# Altium PCB PCB_3U_DDS.PcbDoc (part 7 of 12) (continued)
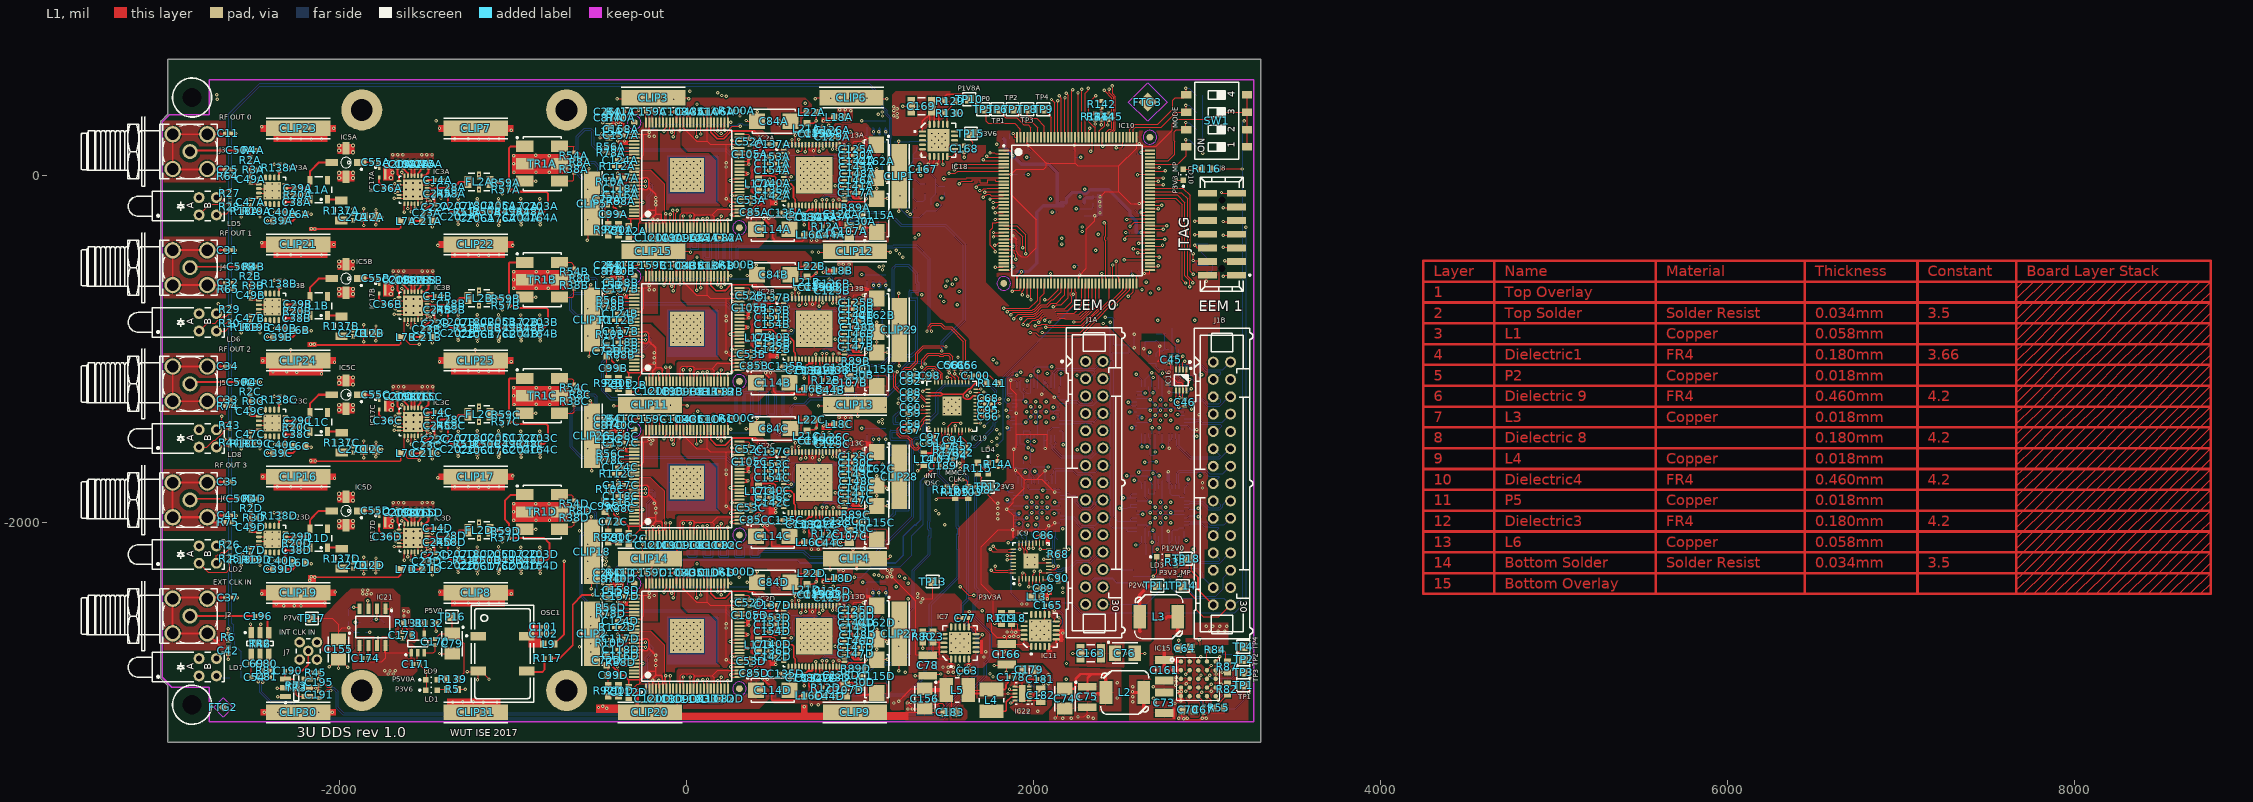
[diagram p0: L1 view]
## Nets (pads, with @x,y where several pads share a name; then routed paths per layer and width w, separated by ;. In a path a pad name is that pad's centre, name@x,y a point inside that pad or via, vN(x,y) a via of type N, cw(c..) or ccw(c..) an arc to the next point about the centre after c; other vN are vias at no path point) (continued)
  other v2: -1574.81,-2132 -1539.37,-2131.01 -1618.11,-2091.64 -1539.37,-2091.64 -1197.84,-2090.85 -1574.81,-2053.26 -1539.37,-2052.27 -2003.94,-2023.72 -1925.2,-2023.72 -1706.69,-2022.74 -1197.84,-2003.84 -2003.94,-1994.2 -1925.2,-1994.2 -1696.85,-1993.21 -1706.69,-1963.69 -1925.2,-1876.09 -2003.94,-1866.24 -2003.94,-1836.72 -1925.2,-1836.72 -1574.81,-1462.71 -1539.37,-1461.72 -1618.11,-1422.35 -1539.37,-1422.35 -1197.84,-1421.56 -1574.81,-1383.97 -1539.37,-1382.98 -2003.94,-1354.43 -1925.2,-1354.43 -1706.69,-1353.45 -1197.84,-1334.55 -2003.94,-1324.91 -1925.2,-1324.91 -1696.85,-1323.92 -1706.69,-1294.39 -1925.2,-1206.8 -2003.94,-1196.95 -2003.94,-1167.43 -1925.2,-1167.43 -1574.81,-793.42 -1539.37,-792.43 -1618.11,-753.06 -1539.37,-753.06 -1197.84,-752.27 -1574.81,-714.68 -1539.37,-713.69 -2003.94,-685.14 -1925.2,-685.14 -1706.69,-684.16 -1197.84,-665.26 -2003.94,-655.61 -1925.2,-655.61 -1696.85,-654.63 -1706.69,-625.1 -1925.2,-537.5 -2003.94,-527.66 -2003.94,-498.13 -1925.2,-498.13 -1578.74,-123.13 -1539.37,-123.13 -1618.11,-83.76 -1539.37,-83.76 -1197.84,-82.98 -1578.74,-44.39 -1539.37,-44.39 -2003.94,-15.85 -1925.2,-15.85 -1706.69,-14.87 -1197.84,4.03 -2003.94,13.68 -1925.2,13.68 -1696.85,14.66 -1706.69,44.19 -1925.2,131.79 -2003.94,141.63 -2003.94,171.16 -1925.2,171.16
I2C_SCLA: IC8A.1 J1A.27 R125.1 | length 4023.9
  L3 w5: v1(2266.51,-124.58) 2294.51,-152.58 2294.51,-179.67 2310.49,-195.65 2310.49,-593.6 2254.51,-649.58 2254.51,-1124.61 2231.67,-1147.45 2231.67,-1161.81 2237.05,-1167.19 2237.05,-1571.43 2233.66,-1574.82 2233.66,-1602.15 2254.51,-1623 2254.51,-2220.58 2130.51,-2344.58 2130.51,-2401.58 2155.51,-2426.58 2245.02,-2426.58 J1A.27@2298.31,-2373.3
  L4 w5: v1(1270.51,-209.58) 1271.02,-209.07 1338.86,-209.07 1381.51,-166.42 1381.51,-154.58 1428.51,-107.58 1600.51,-107.58 1661.51,-46.58 1739.51,-46.58 1806.51,-113.58 2218.51,-113.58 2229.51,-124.58 v1(2266.51,-124.58)
  L6 w5: v1(1270.51,-209.58) 1270.51,-188.62 R125.1@1272.21,-186.92
  L6 w10: J1A.27@2298.31,-2373.3 2347.12,-2324.49 2451.91,-2324.49 2476.94,-2349.51 IC8A.1@2573.82,-2349.51
I2C_SCLB: IC8B.1 J1B.27 | length 206.2
  L6 w5.98: IC8B.1@2889.76,-2270.77 2895.1,-2265.44 2944.04,-2265.44 2973.57,-2294.96 2973.57,-2316.58 J1B.27@3034.65,-2377.66
I2C_SDAA: IC8A.3 J1A.26 R124.1 | length 3675.4
  L3 w5.98: v1(2293.51,-80.58) 2292.51,-79.58 2292.51,-80.58 2292.51,-101.36 2320.98,-129.83 2320.98,-323.06 2339.51,-341.58 2339.51,-407.58 2342.51,-410.58 2342.51,-422.27 2338.17,-426.61 2338.17,-2187.24 2398.31,-2247.38 J1A.26@2398.31,-2273.3
  L4 w5.98: v1(1288.51,-226.58) 1280.51,-234.58 1271.51,-234.58 1264.35,-227.42 1263.12,-227.42 1252.68,-216.97 1252.68,-215.75 1252.51,-215.58 1252.68,-215.42 1252.68,-202.2 1263.12,-191.75 1263.35,-191.75 1263.51,-191.58 1263.68,-191.75 1277.9,-191.75 1284.73,-198.58 1334.51,-198.58 1371.02,-162.07 1371.02,-150.24 1425.67,-95.58 1590.51,-95.58 1650,-36.09 1747.02,-36.09 1791.51,-80.58 v1(2293.51,-80.58)
  L6 w5.98: v1(1288.51,-226.58) 1306.51,-208.58 1306.51,-199.58 1319.17,-186.92 R124.1@1321.43,-186.92 ; J1A.26@2398.31,-2273.3 2399.72,-2274.71 IC8A.3@2573.82,-2274.71
I2C_SDAB: IC8B.3 J1B.26 | length 401.7
  L6 w5.98: IC8B.3@2889.76,-2345.57 2889.76,-2388.32 2927.64,-2426.2 3049.02,-2426.2 3091.68,-2383.55 3091.68,-2320.63 J1B.26@3134.65,-2277.66
IFC_MODE_SEL0: IC10.104 R111.2 SW1.8 | length 403.4
  L1 w5.98: IC10.104@2669.29,62.89 2829.57,62.89 2879.13,112.45 SW1.8@2879.13,162.69 2879.13,201.05 v1(2875.14,205.04)
  L6 w5.98: v1(2875.14,205.04) 2897.42,205.04 R111.2@2937.4,165.06
IFC_MODE_SEL1: IC10.105 R83.2 SW1.7 | length 486.7
  L1 w5.98: IC10.105@2669.29,82.57 2776.26,82.57 2812.86,119.17 2812.86,196.42 2809.86,199.42 2809.86,250.17 2822.38,262.69 SW1.7@2879.13,262.69 2875.14,266.68 v1(2875.14,303.46)
  L6 w5.98: v1(2875.14,303.46) 2897.42,303.46 R83.2@2937.4,263.48
IFC_MODE_SEL2: IC10.110 R85.2 SW1.6 | length 512.5
  L1 w5.98: IC10.110@2572.83,218.4 2572.83,264.15 2585.25,276.57 2734.25,276.57 2820.38,362.69 SW1.6@2879.13,362.69 2879.13,397.9 v1(2875.14,401.89)
  L6 w5.98: v1(2875.14,401.89) 2897.42,401.89 R85.2@2937.4,361.91
IFC_MODE_SEL3: IC10.111 R86.2 SW1.5 | length 602.7
  L1 w5.98: IC10.111@2553.15,218.4 2553.15,265.46 2581.86,294.17 2648.55,294.17 2648.59,294.21 2713.9,294.21 2800.86,381.17 2800.86,432.17 2815.86,447.17 2863.61,447.17 SW1.5@2879.13,462.69 2879.13,496.32 v1(2875.14,500.31)
  L6 w5.98: v1(2875.14,500.31) 2897.42,500.31 R86.2@2937.4,460.33
IN_SEL: IC10.12 IC19.23 | length 1544.5
  L1 w5.98: IC19.23@1665.35,-1430.22 1666.75,-1428.83 v1(1690.86,-1428.83) ; v1(1688.58,-88.58) 1701.34,-88.58 1710.32,-79.61 1725.91,-79.61 1730.61,-74.91 IC10.12@1826.77,-74.91
  L3 w5.98: v1(1688.58,-88.58) 1689.45,-89.45 1689.45,-410.06 1689.86,-410.47 1689.86,-435.99 1689.45,-436.4 1689.45,-1162.03 1701.85,-1174.43 1711.91,-1184.49 1711.91,-1213.9 1715.65,-1217.64 1715.65,-1227.83 1719.99,-1232.17 1730.43,-1242.61 1730.43,-1257.39 1719.99,-1267.83 1716.73,-1271.09 1716.73,-1279.73 1717.04,-1280.04 1717.04,-1402.65 v1(1690.86,-1428.83)
IO_A0_SCKI: IC1A.35 IC1A.36 IC10.30 | length 997
  L1 w5: IC10.30@1826.77,-429.24 1881.6,-429.24 1888.13,-435.77 1888.13,-449.08 1895.27,-456.23 1895,-456.5 v1(1895,-484)
  L3 w5: v1(1895,-484) 1896.99,-484 1898.25,-485.26 1898.25,-770.31 1902.52,-774.58 v1@1902.52,-1152.66
  L6 w5: 1849.91,-1256.01 IC1A.36@1875.98,-1256.01 ; IC1A.35@1875.98,-1275.69 1859.25,-1275.69 1849.78,-1266.22 1849.78,-1174.6 1871.72,-1152.66 v1(1901.57,-1152.66)
IO_A1: IC1A.32 IC1A.33 IC10.53 | length 1100.1
  L1 w5: v1(1924.8,-826.77) 1938.43,-813.15 2003.84,-813.15 2011.17,-805.82 2018.05,-805.82 2047.66,-776.2 2119.4,-776.2 2124.39,-771.21 2177.22,-771.21 2218.5,-729.92 2218.5,-701.03 2210.66,-693.18 2210.66,-678.82 2218.5,-670.97 IC10.53@2218.5,-624.12
  L3 w5: v1@1923.44,-1136.91 1922.15,-1135.61 1922.15,-829.43 v1(1924.8,-826.77)
  L6 w5: IC1A.33@1859.91,-1313.7 1844.73,-1313.7 1833.99,-1302.97 1833.99,-1287.78 1838.8,-1282.98 1838.8,-1170.05 1874.51,-1134.33 1921.63,-1134.33 v1(1924.21,-1136.91) ; IC1A.32@1875.98,-1334.75 1902.06,-1334.75 1905.12,-1331.69 1905.12,-1315.96 1904.22,-1315.06 IC1A.33@1875.98,-1315.06
IO_A2: IC1A.28 IC1A.29 IC10.45 | length 1062.8
  L1 w5: v1(1846.06,-787.4) 1853.27,-780.19 1990.19,-780.19 1997.52,-772.86 2001.77,-772.86 2037.81,-736.83 2037.81,-704.42 2061.02,-681.2 IC10.45@2061.02,-624.12
  L3 w5: v1(1849.91,-1393.8) 1849.91,-1372.96 1859.74,-1363.13 1859.74,-1356.44 1870.65,-1345.54 1870.65,-1287.78 1860.85,-1277.98 1860.85,-1216.38 1838.8,-1194.33 1838.8,-1170.05 1849.91,-1158.94 v1@1849.91,-787.4
  L6 w5: IC1A.28@1889.27,-1413.49 IC1A.28@1875.98,-1413.49 1862.9,-1413.49 1850.94,-1401.53 1849.91,-1402.56 v1(1849.91,-1393.8) IC1A.29@1875.98,-1393.8 IC1A.29@1891.44,-1393.8
IO_A3: IC1A.25 IC1A.26 IC10.50 | length 1145.3
  L1 w5: v1(1868.23,-804.59) 1881.64,-791.18 1994.74,-791.18 2002.07,-783.85 2006.32,-783.85 2042.36,-747.82 2074.74,-747.82 2103.83,-718.72 2111.59,-718.72 2159.45,-670.87 IC10.50@2159.45,-624.12
  L3 w5: v1(1846.06,-1456.69) 1854.76,-1447.99 1854.76,-1414.86 1870.73,-1398.9 1870.73,-1360.99 1881.63,-1350.09 1881.63,-1283.23 1871.83,-1273.43 1871.83,-1211.83 1849.78,-1189.78 1849.78,-1174.6 1865.49,-1158.89 1865.49,-804.84 v1@1865.75,-804.59
  L6 w5: IC1A.25@1867.31,-1469.2 1846.06,-1469.2 v1(1846.06,-1456.69) 1849.9,-1452.86 IC1A.26@1875.98,-1452.86
IO_A4: IC6A.35 IC6A.36 IC10.43 | length 1440.8
  L1 w5: v1(1826.38,-767.72) 1974.02,-767.72 2021.65,-720.08 IC10.43@2021.65,-624.12
  L3 w5: v1(1826.38,-767.72) 1826.38,-1342.64 1822.18,-1346.84 1822.18,-1381.73 1822.85,-1382.4 1822.85,-1396.77 1822.18,-1397.44 1822.18,-1458.73 1846.06,-1482.61 v1(1846.06,-1803.35)
  L6 w5: IC6A.35@1881.89,-1826.87 1852.76,-1826.87 1852.76,-1810.05 1849.9,-1807.19 IC6A.36@1881.89,-1807.19
IO_A5: IC6A.32 IC6A.33 IC10.51 | length 1577
  L1 w5: v1(1883.82,-826.85) 1885.35,-826.85 1910.04,-802.16 1999.29,-802.16 2006.62,-794.83 2010.87,-794.83 2046.91,-758.8 2079.29,-758.8 2101.04,-737.05 2132.64,-737.05 2179.13,-690.55 IC10.51@2179.13,-624.12
  L3 w5: v1(1846.06,-1870.08) 1865.75,-1850.39 1865.75,-1419.41 1881.71,-1403.45 1881.71,-1365.54 1892.61,-1354.64 1892.61,-1278.68 1886.44,-1272.51 1886.44,-1174.6 1883.25,-1171.41 1883.25,-830.08 1885.15,-828.18 v1@1886.56,-826.77
  L6 w5: IC6A.32@1881.89,-1885.93 1879.58,-1888.24 1848.4,-1888.24 1848.4,-1872.41 v1(1846.06,-1870.08) 1849.9,-1866.24 IC6A.33@1881.89,-1866.24
IO_A6: IC6A.28 IC6A.29 IC10.54 | length 1679.5
  L1 w6: v1(1939.49,-861.14) 1939.49,-851.46 1966.31,-824.63 2008.6,-824.63 2015.92,-817.3 2022.8,-817.3 2052.42,-787.69 2124.16,-787.69 2129.15,-782.69 2195.26,-782.69 2245.84,-732.11 2245.84,-678.61 2238.19,-670.96 IC10.54@2238.19,-624.12
  L3 w5: v1(1914.96,-1948.82) 1910.12,-1943.98 1910.12,-1711.37 1913.01,-1708.48 1913.01,-1693.3 1910.12,-1690.4 1910.12,-1391.46 1918.37,-1383.21 1918.37,-1331.6 1905.57,-1318.81 1905.57,-1181.48 1942.54,-1144.5 1942.54,-996.91 1934.23,-988.6 1934.23,-900.58 1939.49,-895.33 v1(1939.49,-861.14)
  L6 w5: IC6A.28@1881.89,-1964.67 1910.83,-1964.67 1914.96,-1960.53 v1(1914.96,-1948.82) 1911.13,-1944.98 IC6A.29@1881.89,-1944.98
IO_A7: IC6A.25 IC6A.26 IC10.56 | length 1756
  L1 w6: v1(1964.17,-866.14) 1993.7,-836.61 2013.56,-836.61 2020.89,-829.29 2027.77,-829.29 2057.38,-799.67 2129.12,-799.67 2134.11,-794.68 2232.49,-794.68 2277.56,-749.61 IC10.56@2277.56,-624.12
  L3 w5: v1(1914.96,-2007.87) 1915.79,-2007.87 1934.65,-1989.02 1934.65,-1720.51 1933.44,-1719.31 1933.44,-1704.13 1934.65,-1702.92 1934.65,-1583.16 1921.1,-1569.61 1921.1,-1398.01 1929.35,-1389.76 1929.35,-1327.05 1916.55,-1314.26 1916.55,-1186.03 1953.52,-1149.05 1953.52,-992.36 1945.22,-984.05 1945.22,-909.88 1951.51,-903.58 1951.51,-878.8 v1(1964.17,-866.14)
  L6 w5: IC6A.25@1881.89,-2023.72 1902.94,-2023.72 1914.96,-2011.7 v1(1914.96,-2007.87) 1911.13,-2004.04 IC6A.26@1881.89,-2004.04
IO_B8_SCKI: IC1B.35 IC1B.36 IC10.32 | length 1651.9
  L1 w5: IC10.32@1826.77,-468.61 1864.17,-468.61 1865.75,-470.18 1872.96,-462.96 1873.33,-462.6 1876,-465.27 v1(1876,-466)
  L3 w6: v1(2643.31,-1255.93) 2653.15,-1246.09 2653.15,-1157.46 2648.32,-1152.63 2648.32,-1127.1 2653.15,-1122.28 2653.15,-1032.24 2648.49,-1027.59 2648.49,-1011.99 2653.15,-1007.34 2653.15,-617.89 v1@2651.51,-616.24
  L4 w5: v1(1876,-466) 1911.56,-466 1914.96,-462.6 1961.7,-509.33 2241.84,-509.33 2268.65,-536.15 2567.54,-536.15 v1(2647.64,-616.24)
  L6 w5: IC1B.36@2594.49,-1246.17 2624.02,-1246.17 2633.78,-1255.93 v1(2643.31,-1255.93)
  L6 w6: IC1B.35@2594.49,-1265.85 2637.3,-1265.85 2643.31,-1259.84 v1(2643.31,-1255.93)
IO_B9: IC1B.32 IC1B.33 IC10.71 | length 807.1
  L1 w6: v1(2544.88,-698.82) 2572.83,-670.87 IC10.71@2572.83,-624.12
  L3 w6: v1(2544.88,-1309.06) v1(2544.88,-698.82)
  L6 w6: IC1B.32@2594.49,-1324.91 2590.65,-1328.74 2564.57,-1328.74 v1(2544.88,-1309.06) 2548.72,-1305.22 IC1B.33@2594.49,-1305.22
IO_B10: IC1B.28 IC1B.29 IC10.74 | length 1093.8
  L1 w6: IC10.74@2669.29,-527.66 2713.31,-527.66 v1(2717.66,-523.31)
  L3 w6: v1(2623.62,-1397.64) 2623.62,-1016.66 2614.51,-1007.55 2614.51,-991.95 2623.62,-982.84 v1(2623.62,-659.45) ; v1(2717.66,-523.31) 2720.47,-526.12 v1(2720.47,-654.8)
  L4 w6: v1(2623.62,-659.45) 2715.82,-659.45 v1(2720.47,-654.8)
  L6 w6: IC1B.28@2594.49,-1403.65 2607.77,-1403.65 2613.78,-1397.64 v1(2623.62,-1397.64) 2609.95,-1383.96 IC1B.29@2594.49,-1383.96
IO_B11: IC1B.25 IC1B.26 IC10.78 | length 2048.1
  L1 w6: v1(2599.87,-447.79) 2599.87,-448.69 2600.1,-448.92 IC10.78@2669.29,-448.92
  L3 w6: v1(2564.57,-1456.69) 2549.21,-1472.05 2549.21,-1653.54 2552.88,-1657.21 2552.88,-1739.67 2549.21,-1743.34 2549.21,-1820.87 2578.74,-1850.39 2588.58,-1850.39 2618.11,-1820.87 2618.11,-1761.81 2586.09,-1729.8 2586.09,-1626.5 2594.78,-1617.82 2594.78,-1423.52 2572.96,-1401.7 2572.96,-1357.46 2564.57,-1349.07 2564.57,-1007.08 2561.04,-1003.55 2561.04,-909.21 2564.57,-905.69 2564.57,-607.83 2587.72,-584.67 2587.72,-569.08 2586.39,-567.75 2586.39,-510.58 2599.87,-497.1 v1(2599.87,-447.79)
  L6 w6: 2574.41,-1446.85 2576.57,-1446.85 ; IC1B.25@2594.49,-1462.7 2568.41,-1462.7 2564.57,-1458.86 2565.65,-1457.77 2576.57,-1446.85 ; 2576.57,-1446.85 2580.41,-1443.02 IC1B.26@2594.49,-1443.02 2590.65,-1446.85 2576.57,-1446.85
IO_B12: IC6B.35 IC6B.36 IC10.70 | length 2126.5
  L1 w6: v1(2475.98,-748.03) 2475.98,-738.69 2553.15,-661.52 IC10.70@2553.15,-624.12
  L3 w6: v1(2475.98,-748.03) 2490.16,-762.2 2490.16,-777.56 2490.16,-800.24 2521.9,-800.24 2521.9,-845.61 2490.16,-845.61 2469.79,-845.61 2469.79,-890.98 2490.16,-890.98 2521.9,-890.98 2521.9,-936.35 2490.16,-936.35 2467.3,-936.35 2467.3,-981.72 2490.16,-981.72 2521.9,-981.72 2521.9,-1027.09 2490.16,-1027.09 2467.3,-1027.09 2467.3,-1072.46 2490.16,-1072.46 2521.9,-1072.46 2521.9,-1117.83 2490.16,-1117.83 2467.3,-1117.83 2467.3,-1163.2 2490.16,-1163.2 2521.9,-1163.2 2521.9,-1208.58 2490.16,-1208.58 2467.3,-1208.58 2467.3,-1253.95 2490.16,-1253.95 2515.23,-1253.95 2515.23,-1299.32 2490.16,-1299.32 2467.3,-1299.32 2467.3,-1344.69 2490.16,-1344.69 2524.04,-1344.69 2524.04,-1390.06 2490.16,-1390.06 2490.16,-1397.64 2490.16,-1840.55 2495.67,-1840.55 v1(2515.35,-1860.24)
  L6 w5.98: 2559.06,-1860.24 2559.06,-1846.07 2568.41,-1836.72 IC6B.36@2594.49,-1836.72
  L6 w6: v1(2515.35,-1860.24) 2559.06,-1860.24 2590.65,-1860.24 IC6B.35@2594.49,-1856.4
IO_B13: IC6B.32 IC6B.33 IC10.87 | length 1976.1
  L1 w6: v1(2554.72,-295.28) 2578.24,-271.76 IC10.87@2669.29,-271.76
  L3 w6: v1(2495.67,-1919.29) 2456.3,-1879.92 2456.3,-858.41 2458.79,-855.92 2458.79,-841.14 2456.3,-838.65 2456.3,-620.08 2550.19,-526.18 2550.19,-454.31 2554.72,-449.77 2554.72,-395.4 2570.51,-379.61 2570.51,-311.06 v1(2554.72,-295.28)
  L6 w6: v1(2495.67,-1919.29) 2539.37,-1919.29 2543.2,-1915.46 2559.06,-1915.46 ; IC6B.32@2594.49,-1915.46 2559.06,-1915.46 ; IC6B.33@2594.49,-1895.77 2559.06,-1895.77 2559.06,-1915.46
IO_B14: IC6B.28 IC6B.29 IC10.76 | length 2153.3
  L1 w6: v1(2520.87,-488.79) 2519.69,-488.79 2519.19,-488.29 2520.87,-488.29 IC10.76@2669.29,-488.29
  L3 w6: v1(2411.42,-819) 2411.42,-789.47 2416.93,-783.96 2416.93,-757.87 2416.93,-735.19 2399.65,-735.19 2399.65,-689.82 2416.93,-689.82 2416.93,-590.55 2519.19,-488.29 2519.69,-488.79 v1(2520.87,-488.79)
  L6 w6: v1(2411.42,-819) 2450.79,-819 2460.63,-828.84 2460.63,-954.72 2460.63,-977.41 2551.62,-977.41 2551.62,-1022.78 2460.63,-1022.78 2450.89,-1022.78 2450.89,-1068.15 2460.63,-1068.15 2460.63,-1190.94 2460.63,-1970.57 2484.25,-1994.2 2559.06,-1994.2 ; IC6B.28@2594.49,-1994.2 2559.06,-1994.2 ; IC6B.29@2594.49,-1974.51 2568.9,-1974.51 2559.06,-1984.35 2559.06,-1994.2
IO_B15: IC6B.25 IC6B.26 IC10.88 | length 2197.7
  L1 w6: v1(2535.04,-255.91) 2538.87,-252.07 IC10.88@2669.29,-252.07
  L3 w6: v1(2440.94,-848.53) 2440.94,-819 2436.61,-814.67 2436.61,-610.24 2539.19,-507.66 2539.19,-449.75 2542.45,-446.5 2542.45,-392.12 2552.45,-382.12 2552.45,-358.24 2542.45,-348.24 2542.45,-344.52 2548.35,-338.61 2548.35,-323.01 2535.04,-309.7 v1(2535.04,-255.91)
  L6 w6: v1(2440.94,-848.53) 2439.89,-849.58 2439.89,-1989.21 2438.46,-1990.64 2438.46,-2017.3 2454.72,-2033.57 2539.37,-2033.57 ; IC6B.25@2594.49,-2053.25 2539.37,-2053.25 2539.37,-2033.57 ; IC6B.26@2594.49,-2033.57 2539.37,-2033.57
LED0: IC10.128 R27.1 | length 5782.1
  L1 w5: v1@-2692.91,-84.75 -2691.73,-85.93 -2691.13,-85.93 R27.1@-2633.86,-85.93 ; IC10.128@2218.5,218.4 2218.5,486.22 v1(2224.41,492.13)
  L4 w5: v1(-2691.13,-80.79) -2691.13,380.62 -2624.55,447.2 -2624.55,451.91 -2559.65,516.81 2199.73,516.81 v1(2224.41,492.13)
LED1: IC10.126 R28.1 | length 5865.1
  L1 w5: v1@-2671.36,-179.22 -2656.81,-164.67 R28.1@-2633.86,-164.67 ; v1(2254.86,474.17) 2254.86,221.42 IC10.126@2257.87,218.4
  L4 w5: v1(-2673.23,-183.18) -2672.8,-182.75 -2672.8,-73.2 -2677.13,-68.87 -2677.13,365.76 -2613.56,429.33 -2613.56,447.36 -2555.1,505.82 2186.19,505.82 2217.23,474.78 2254.25,474.78 v1(2254.86,474.17)
LED2: IC10.118 R29.1 | length 6834.8
  L1 w5: v1(-2701.13,-740.79) -2686.69,-755.22 R29.1@-2633.86,-755.22 ; v1(2405.86,489.17) 2450.7,444.33 2450.7,269.02 2447.11,265.43 2436.03,265.43 2421.63,251.04 2421.63,224.68 IC10.118@2415.35,218.4
  L3 w5: v1(-2710.52,463.85) -2710.52,461.62 -2725.89,446.25 -2725.89,429.68 -2705.14,408.92 -2705.14,1.53 -2699.61,-4.01 -2699.61,-63.35 -2701.07,-63.35 -2771.65,-133.93 -2771.65,-248.92 -2699.61,-320.97 -2699.61,-739.27 v1(-2701.13,-740.79)
  L4 w5: v1(-2710.52,463.85) -2643.68,463.85 -2568.75,538.78 2356.26,538.78 v1(2405.86,489.17)
LED3: IC10.125 R30.1 | length 6722.4
  L1 w5: v1(-2689.94,-854.87) -2654.76,-854.87 R30.1@-2633.86,-833.96 ; v1(2275.86,494.17) 2277.56,492.47 IC10.125@2277.56,218.4
  L3 w5: v1(-2707.57,437.27) -2700.17,437.27 -2694.15,431.26 -2694.15,40.37 -2667.8,14.01 -2667.8,-164.08 -2655.89,-175.99 -2655.89,-264.23 -2686.77,-295.12 -2686.77,-729.22 -2672.81,-743.18 -2672.81,-814.68 -2689.94,-831.81 v1(-2689.94,-854.87)
  L4 w5: v1(-2707.57,437.27) -2701.29,443.55 -2643.73,443.55 -2635.53,451.75 -2635.53,456.46 -2564.2,527.79 2242.24,527.79 v1(2275.86,494.17)
LED4: IC10.116 R43.1 | length 7492.5
  L1 w5: v1(-2682.13,-1390.79) -2682.13,-1415.28 -2672.9,-1424.51 R43.1@-2633.86,-1424.51 ; v1(2452.86,514.17) 2454.72,512.31 2454.72,468.59 2470.7,452.61 2470.7,260.74 2454.72,244.76 IC10.116@2454.72,218.4
  L3 w5: v1(-2682.13,-1390.79) -2676.04,-1384.7 -2686.95,-1373.79 -2686.95,-928.81 -2662.81,-904.68 -2662.81,-739.04 -2671.81,-730.04 -2671.81,-728.65 -2675.79,-724.67 -2675.79,-299.67 -2645.89,-269.77 -2645.89,-171.85 -2656.81,-160.92 -2656.81,18.56 -2683.17,44.92 -2683.17,504.73 -2649.13,538.78 -1916.15,538.78 -1914.67,537.3 2429.73,537.3 v1(2452.86,514.17)